# Altium PCB ECU_FEST23_Rev1.PcbDoc (part 1 of 2) (continued)
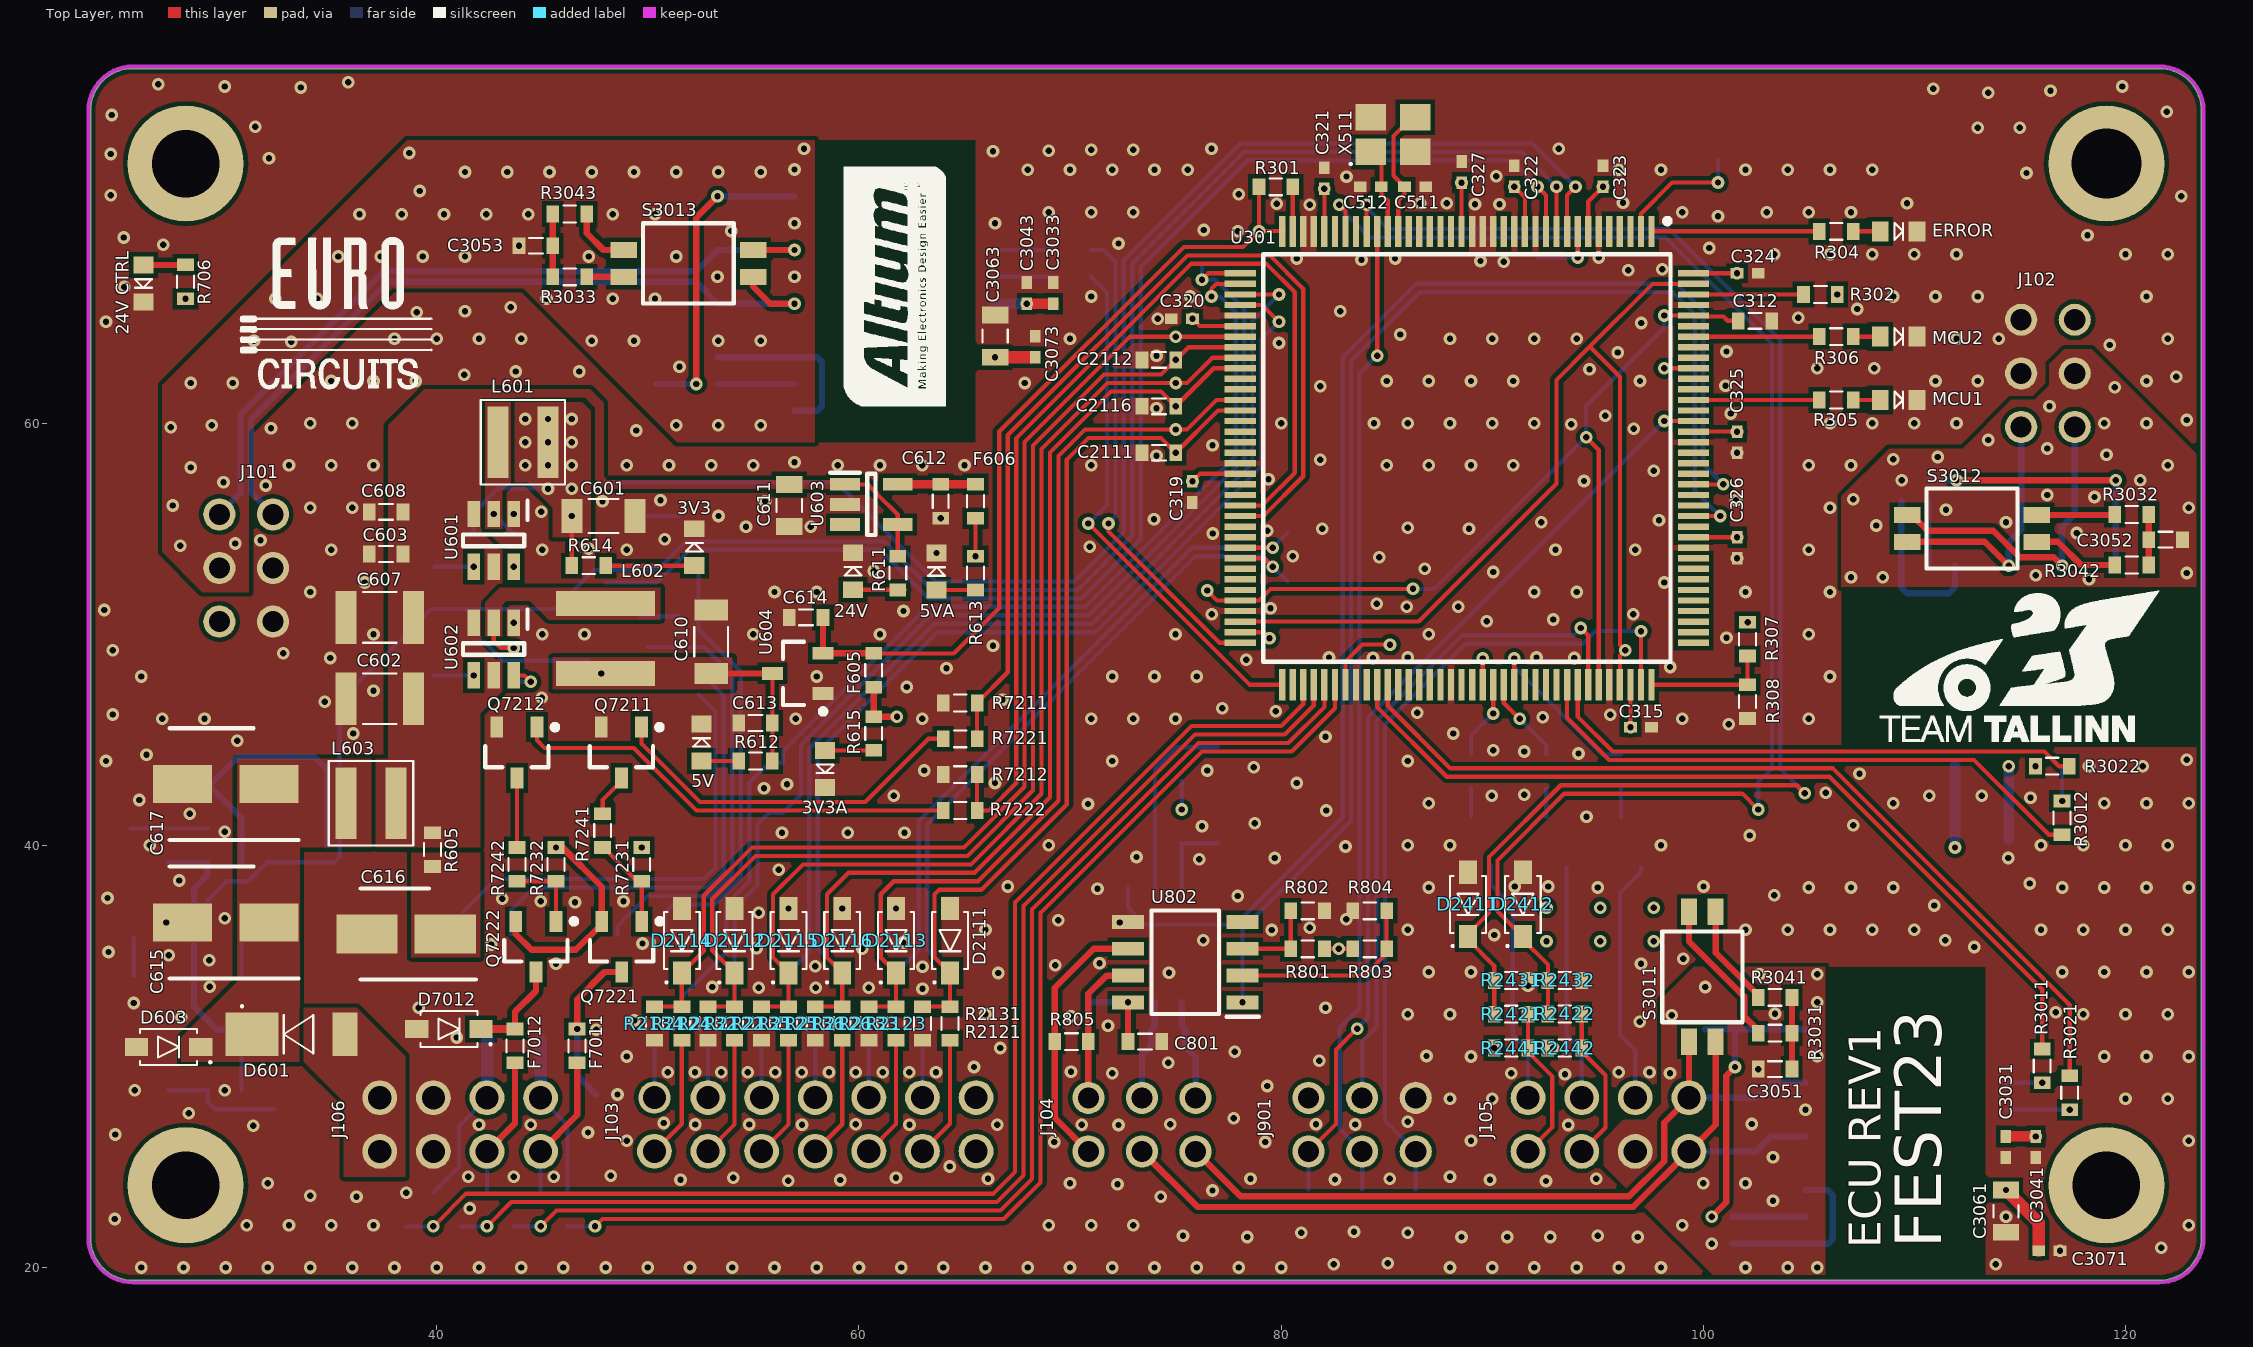
[diagram p0: Top Layer view]
## Footprints (in the part's own frame and the unit in brackets; to place one, negate y for a bottom-side part, rotate by r counter-clockwise, add the part's x,y. Pads: shape width x height; smd on the part's side, far side on the other; paste and mask are expansions set on the pad) (continued)
  silkscreen extent -11.35,-9.65 9.65,9.65, body extent -11,-11 11,11, height 1.6
"Molex C-Grid 2x4 Pin_Right_Angle" [mm]
  round 1.65 hole 1.1: 1(2.44,-13.018) 2(4.98,-13.018) 3(7.52,-13.018) 4(10.06,-13.018) 5(2.44,-10.478) 6(4.98,-10.478) 7(7.52,-10.478) 8(10.06,-10.478)
  body extent 0.01,-13.37 12.51,0.03, height 9.64
"Molex C-Grid 2x7 Pin_Right_Angle" [mm]
  round 1.65 hole 1.1: 1(0,-2.54) 2(2.54,-2.54) 3(5.08,-2.54) 4(7.62,-2.54) 5(10.16,-2.54) 6(12.7,-2.54) 7(15.24,-2.54) 8(15.24,0) 9(12.7,0) 10(10.16,0) 11(7.62,0) 12(5.08,0) 13(2.54,0)
  round 1.524 hole 1.1: 14(0,0)
  body extent -2.44,-13.15 17.68,0.25, height 10.07
"MOLEX C-GRID 6" [mil]
  round 60 hole 39.37 mask+1.97: 1(-100,50) 2(0,50) 3(100,50) 4(100,-50) 5(0,-50) 6(-100,-50)
  body extent -196,-463 196,65, height 383
PMDE-2 [mm]
  rect 1.1x1.45 smd: 1(0,-0.65)
  rect 0.8x0.8 smd: 2(0,0.975)
  silkscreen extent -0.05,-1.9 0.05,-1.8, body extent -0.65,-1.27 0.65,1.3, height 1.1
"PowerPAK 1212-8 SINGLE" [mm]
  rect 0.99x0.405 smd: 1(1.1,0.96) 1(1.1,1.62) 1(1.1,2.28) 2(1.1,0.3)
  rect 1.725x2.235 smd mask+0: 3(3.09,1.28)
  rect 0.76x0.405 smd mask+0: 3(4.08,0.29) 3(4.08,0.95) 3(4.08,1.61) 3(4.08,2.27)
  silkscreen extent 0.94,-0.34 4.24,2.95, body extent 0.94,-0.34 4.24,2.96, height 1.04
"RES [0603] 1608" [mm]
  rect 0.6x0.8 smd: 1(-0.8,0) 2(0.8,0)
  silkscreen extent -0.3,-0.4 0.3,0.4, body extent -0.8,-0.4 0.8,0.4, height 0.46
SOD-123 [mm]
  rect 1.1x0.85 smd: 1(-1.525,0) 2(1.525,0)
  silkscreen extent -2.02,-0.85 1.35,0.85, body extent -1.93,-0.85 1.92,0.85, height 1.42
SOD-128 [mm] "SODFL, 2-Leads, Body 2.70x5.00mm, IPC Medium Density"
  rect 2.5x2.05 smd: 1(-2.2,0)
  rect 1.2x2.05 smd: 2(2.2,0)
  silkscreen extent -2.72,-0.9 0.7,1.37, body extent -2.6,-1.35 2.6,1.35, height 1.11
SOIC127P600X175-8N [mm]
  rect 1.525x0.65 smd: 1(-2.712,1.905) 2(-2.712,0.635) 3(-2.712,-0.635) 4(-2.712,-1.905) 5(2.712,-1.905) 6(2.712,-0.635) 7(2.712,0.635) 8(2.712,1.905)
  silkscreen extent -3.47,-2.45 1.6,2.58, body extent -3,-2.45 3,2.45, height 1.75
SOIC-20 [mm] "SOIC, 20-Leads, Body 12.80x7.50mm, Pitch 1.27mm, IPC Medium Density"
  rect 1.9x0.6 smd: 1(-4.75,5.715) 2(-4.75,4.445) 3(-4.75,3.175) 4(-4.75,1.905) 5(-4.75,0.635) 6(-4.75,-0.635) 7(-4.75,-1.905) 8(-4.75,-3.175) 9(-4.75,-4.445) 10(-4.75,-5.715) 11(4.75,-5.715) 12(4.75,-4.445) 13(4.75,-3.175) 14(4.75,-1.905) 15(4.75,-0.635) 16(4.75,0.635) 17(4.75,1.905) 18(4.75,3.175) 19(4.75,4.445) 20(4.75,5.715)
  silkscreen extent -4.88,-6.5 3.4,6.69, body extent -5.16,-6.5 5.16,6.5, height 2.65
SOT23 [mm] "SOT23, 3-Leads, Body 2.92x2.37mm, Pitch 0.95mm, IPC Medium Density"
  rect 1x0.6 smd: 1(-1.2,0.95) 2(-1.2,-0.95) 3(1.2,0)
  silkscreen extent -1.32,-1.5 0.7,1.92, body extent -1.32,-1.52 1.32,1.52, height 1.12
SOT95P237X112-3N [mm] "SOT23, 3-Leads, Body 2,92x2,37mm, Pitch 0,95mm, IPC Medium Density"
  rect 1x0.6 smd: 1(-1.2,0.95) 2(-1.2,-0.95) 3(1.2,0)
  silkscreen extent -1.32,-1.5 0.7,1.93, body extent -1.32,-1.52 1.32,1.52, height 1.12
SOT95P270X145-5N [mm]
  rect 1.4x0.6 smd: 1(-1.25,0.95) 2(-1.25,0) 3(-1.25,-0.95) 4(1.25,-0.95) 5(1.25,0.95)
  silkscreen extent -1.95,-1.45 0.2,1.5, body extent -1.35,-1.45 1.35,1.45, height 1.45
SOT95P280X110-6N [mm]
  rect 1.25x0.6 smd: 1(-1.25,0.95) 2(-1.25,0) 3(-1.25,-0.95) 4(1.25,-0.95) 5(1.25,0) 6(1.25,0.95)
  silkscreen extent -1.88,-1.45 0.28,1.6, body extent -1.4,-1.45 1.4,1.45, height 0.97
SOT127P599X175-8N [mm]
  rect 1.8x0.6 smd: 1(-2.55,1.905) 2(-2.55,0.635) 3(-2.55,-0.635) 4(-2.55,-1.905) 5(2.55,-1.905) 6(2.55,-0.635) 7(2.55,0.635) 8(2.55,1.905)
  silkscreen extent -3.45,-2.45 1.3,2.56, body extent -3,-2.45 3,2.45, height 1.75
TO114P998X235-5_6N [mm] "TO,1.14mm pitch;5 pin,9.98mm L X 6.22mm W X 2.35mm H body"
  rect 1.7x0.8 smd paste+0 mask+0: 1(-4.75,2.28) 2(-4.75,1.14) 4(-4.75,-1.14) 5(-4.75,-2.28)
  rect 6.5x5.75 smd paste+0 mask+0: 6(2.3,0)
  silkscreen extent -4.77,-3.35 -1.35,3.36, body extent -4.99,-3.25 4.99,3.25, height 2.36
XAL40XX [mm]
  rect 0.98x3.4 smd: 1(-1.185,0) 2(1.185,0)
  silkscreen extent -2,-2 2,2, body extent -2,-2 2,2, height 2.1

## Part data
3V3 3V3A 5V 5VA 24V "24V CTRL" ERROR MCU1 MCU2: library part LED, "Cathode (-) marked by silkscreen line", Manufacturer=ROHM, Notes=https://www.mouser.ee/ProductDetail/ROHM-Semiconductor/SMLE13EC8TT86/?qs=%2Fha2pyFaduhMiPLq356inQWeb%2FEAVJcU8BAQeq%2FFIHebs6U66VjMvA%3D%3D, Order Step=1, Price=0.60, Product Name=SMLE13EC8TT86, Supplier=LADU, Supplier Number=755-SMLE13EC8TT86
C231 C232 C603 C604 C608 C609 C703 C704 C2411 C2412 C3053: library part Capacitor, Supplier=LADU
C311 C312: library part Capacitor, Manufacturer=Murata, Notes=https://www.murata.com/en-us/products/productdetail?partno=GRM188R71A225KE15%23, Order Step=10, Price=0.061, Product Name=GRM188R71A225KE15D, Supplier=Farnell, Supplier Number=1797012
C313 C315 C316 C317 C318 C319 C320 C321 C322 C323 C324 C325 C326 C327 C329: library part Capacitor, Manufacturer="Multicomp PRO", Notes=https://www.farnell.com/datasheets/1870456.pdf, Order Step=10, Price=0.039, Product Name=MC0402X104K100CT, Supplier=Farnell, Supplier Number=1759380
C314 C330 C511 C512 C2111 C2112 C2113 C2114 C2115 C2116 C3011 C3012 C3013 C3043 C3073 C3083: library part Capacitor, Manufacturer=MULTICOMP, Order Step=10, Supplier=Farnell
  C314 C330 C2111 C2112 C2113 C2114 C2115 C2116 C3011 C3012 C3013 C3043 C3073 C3083: Notes=https://ee.farnell.com/multicomp/mc0402b104k160ct/cap-0-1-f-16v-10-x7r-0402/dp/1758896?ost=1758896, Price=0.0291, Product Name=MC0402B104K160CT, Supplier Number=1758896
  C511 C512: Notes=https://ee.farnell.com/multicomp/mc0402n160j500ct/cap-16pf-50v-5-c0g-np0-0402/dp/1758946?ost=1758946, Price=0.0254, Product Name=MC0402N160J500CT, Supplier Number=1758946
C328 C331 C2011 C2012 C2013 C2014: library part Capacitor, Manufacturer=Yageo, Order Step=10, Supplier=Farnell
  C328 C331: Notes=https://www.yageo.com/upload/media/product/products/datasheet/mlcc/UPY-GPHC_X5R_4V-to-50V_27.pdf, Price=0.108, Product Name=CC0603KRX5R5BB475, Supplier Number=9402110
  C2011 C2012 C2013 C2014: Notes=https://www.yageo.com/upload/media/product/productsearch/datasheet/mlcc/UPY-GPHC_X7R_6.3V-to-50V_20.pdf, Price=0.01, Product Name=CC0402KRX7R9BB222, Supplier Number=3019408
C601 C602 C607 C612 C613 C614 C3063 C3093: library part Capacitor, Manufacturer=TDK
  C601: Notes=https://4donline.ihs.com/images/VipMasterIC/IC/TDKC/TDKC-S-A0012830064/TDKC-S-A0012830064-1.pdf?hkey=6D3A4C79FDBF58556ACFDE234799DDF0, Order Step=5, Price=0.922, Product Name=C3216X5R1A107M160AC, Supplier=Farnell, Supplier Number=2211193
  C602 C607: Notes=https://www.mouser.ee/ProductDetail/TDK/C3225X7R1H106M250AC?qs=%2Fha2pyFaduh2tbcUhWDo1YXPsEIYvC2h2d1%252BmoFOFCi73iECpPW4dzNynMlOFrUA, Order Step=1, Price=0.80, Product Name=C3225X7R1H106M250AC, Supplier=Mouser, Supplier Number=810-C3225X7R1H106MAC
  C612 C613 C614: Notes=https://www.farnell.com/datasheets/2792994.pdf, Order Step=10, Price=0.05, Product Name=C1608X7R1A105K080AC, Supplier=Farnell, Supplier Number=2346895
  C3063 C3093: Notes=https://ee.farnell.com/tdk/c2012x7r1a106k125ac/cap-10-f-10v-10-x7r-0805/dp/2346934, Order Step=5, Price=0.186, Product Name=C2012X7R1A106K125AC, Supplier=Farnell, Supplier Number=2346934
C610 C611: library part Capacitor, Manufacturer=MURATA, Order Step=5, Supplier=Farnell
  C610: Notes=https://www.murata.com/en-us/products/productdetail?partno=GRM31CR61A476KE15%23, Price=0.437, Product Name=GRM31CR61A476KE15L, Supplier Number=2426965
  C611: Notes=https://www.farnell.com/datasheets/2356132.pdf, Price=0.143, Product Name=GCJ21BR71H105KA01L, Supplier Number=2781413
C615 C617: library part "Capacitor polarized", Manufacturer=Wurth, Notes=https://4donline.ihs.com/images/VipMasterIC/IC/MIDC/MIDC-S-A0000770067/MIDC-S-A0000770082-1.pdf?hkey=6D3A4C79FDBF58556ACFDE234799DDF0, Order Step=1, Price=0.208, Product Name=865080542006, Supplier=Farnell, Supplier Number=2466315
C616: library part "Capacitor polarized", Manufacturer="Multicomp PRO", Notes=https://www.farnell.com/datasheets/2883297.pdf, Order Step=10, Price=0.19, Product Name=MCESL35V475M4X5.2, Supplier=Farnell, Supplier Number=9265716
C801 C802 C3051 C3052: library part CMP-001-00084-16, "Default capacitor part", Supplier=LADU
C901: library part CMP-001-00084-16, "Default capacitor part", Manufacturer="Multicomp PRO", Notes=https://www.farnell.com/datasheets/1870456.pdf, Order Step=10, Price=0.039, Product Name=MC0402X104K100CT, Supplier=Farnell, Supplier Number=1759380
C3021 C3022 C3023 C3031 C3032 C3033: library part Capacitor, Manufacturer="WURTH ELEKTRONIK", Notes=https://ee.farnell.com/wurth-elektronik/885012205031/cap-0-01-f-16v-10-x7r-0402/dp/2533977?ost=2533977, Order Step=10, Price=0.01, Product Name=885012205031, Supplier=Farnell, Supplier Number=2533977
C3041 C3042 C3071 C3072 C3081 C3082: library part CMP-001-00084-16, "Default capacitor part", Manufacturer=MULTICOMP, Notes=https://ee.farnell.com/multicomp/mc0402b104k160ct/cap-0-1-f-16v-10-x7r-0402/dp/1758896?ost=1758896, Order Step=10, Price=0.0291, Product Name=MC0402B104K160CT, Supplier=Farnell, Supplier Number=1758896
C3061 C3062 C3091 C3092: library part CMP-001-00084-16, "Default capacitor part", Manufacturer=TDK, Notes=https://ee.farnell.com/tdk/c2012x7r1a106k125ac/cap-10-f-10v-10-x7r-0805/dp/2346934, Order Step=5, Price=0.186, Product Name=C2012X7R1A106K125AC, Supplier=Farnell, Supplier Number=2346934
D231 D232 D603 D702 D901 D902 D903 D904 D2011 D2012 D2013 D2014 D2111 D2112 D2113 D2114 D2115 D2116 D2411 D2412 D4011 D4012 D4013 D7011 D7012 D7111 D7112: library part "TVS/Zener diode", Manufacturer=Nexperia, Order Step=5, Supplier=Farnell
  D231 D232 D901 D902 D903 D904 D2011 D2012 D2013 D2014 D2111 D2112 D2113 D2114 D2115 D2116 D2411 D2412: Notes=https://ee.farnell.com/nexperia/ptvs3v3s1ur-115/diode-tvs-uni-3-3v-400w-sod123w/dp/1829253?ost=1829253, Price=0.41, Product Name=PTVS3V3S1UR,115, Supplier Number=1829253
  D603 D702 D7011 D7012 D7111 D7112: Notes=https://4donline.ihs.com/images/VipMasterIC/IC/NEXP/NEXP-S-A0003507774/NEXP-S-A0003507774-1.pdf?hkey=6D3A4C79FDBF58556ACFDE234799DDF0, Price=0.42, Product Name=PTVS24VS1UR,115, Supplier Number=1829247
  D4011 D4012 D4013: Notes=https://ee.farnell.com/nexperia/ptvs3v3s1ur-115/diode-tvs-uni-3-3v-400w-sod123w/dp/1829253?ost=1829253, Price=0.136/0.0867, Product Name=PTVS3V3S1UR, Supplier Number=1829253
D601 D604 D701: library part "Diode Shottky", Manufacturer=NEXPERIA, Order Step=5, Supplier=Farnell
  D601 D604: Notes=https://4donline.ihs.com/images/VipMasterIC/IC/NEXP/NEXP-S-A0003060256/NEXP-S-A0003059578-1.pdf?hkey=6D3A4C79FDBF58556ACFDE234799DDF0, Price=0.595, Product Name=PMEG3020EP,115, Supplier Number=1972722
  D701: Notes=https://4donline.ihs.com/images/VipMasterIC/IC/NEXP/NEXP-S-A0003060256/NEXP-S-A0003059607-1.pdf?hkey=6D3A4C79FDBF58556ACFDE234799DDF0, Price=0.57, Product Name=PMEG3050EP,115, Supplier Number=1829197
D703: library part "TVS/Zener diode", Manufacturer="Diodes INC", Notes=https://4donline.ihs.com/images/VipMasterIC/IC/DIOD/DIODS00953/DIODS00953-1.pdf?hkey=6D3A4C79FDBF58556ACFDE234799DDF0, Order Step=5, Price=0.23, Product Name=BZT52C12, Supplier=Farnell, Supplier Number=1902427
D704: library part Diode, Manufacturer="ROHM Semiconductor", Notes=https://fscdn.rohm.com/en/products/databook/datasheet/discrete/diode/fast_recovery/rfn1vwm2stftr-e.pdf, Order Step=1, Price=0.68, Product Name=RFN1VWM2STFTR, Supplier=Mouser, Supplier Number=755-RFN1VWM2STFTR
F605 F606: library part Fuse, Manufacturer="Multicomp PRO", Notes=https://www.farnell.com/datasheets/3665656.pdf, Order Step=10, Price=0.136, Product Name=MCCFB0603TFF/250, Supplier=Farnell, Supplier Number=2849998
F701: library part Fuse, Manufacturer="Bel Fuse", Notes=https://www.mouser.ee/datasheet/2/54/bourns_SF_1206SA_M_datasheet-2399800.pdf, Order Step=1, Price=1.00, Product Name=SF-1206SA350M-2, Supplier=Mouser, Supplier Number=652-SF-1206SA350M-2
F7011 F7012: library part Fuse, Manufacturer=AEM, Notes=https://www.farnell.com/datasheets/3200534.pdf, Order Step=10, Price=0.376, Product Name=T0603FF0200TM, Supplier=Farnell, Supplier Number=3701343
F7111 F7112: library part Fuse, Manufacturer=Bourns, Notes=https://www.mouser.ee/datasheet/2/54/Bourns_SF2105_SF_0603SA_M_SF_1206SA_M_NPR_ADV-2399805.pdf, Order Step=1, Price=0.99, Product Name=SF-0603SA150M-2, Supplier=Mouser, Supplier Number=652-SF-0603SA150M-2
J101: library part CMP-002-00003-1, "Rectangular Power Connector, 8 Contact(s), Male, Solder Terminal, Receptacle", Manufacturer=MOLEX, Note=https://ee.farnell.com/molex/90130-3206/connector-header-6pos-2row-2-54mm/dp/9733990?ost=9733990, Order Step=1, Price=1.94, Product Name=90130-3206, Supplier=Farnell, Supplier Number=9733990
J102 J901: Manufacturer=MOLEX, Note=https://ee.farnell.com/molex/90130-3206/connector-header-6pos-2row-2-54mm/dp/9733990?ost=9733990, Order Step=1, Price=1.94, Product Name=90130-3206, Supplier=Farnell, Supplier Number=9733990
J103: library part CMP-002-00002-1, "Rectangular Power Connector, 6 Contact(s), Male, Solder Terminal, Receptacle", Manufacturer=Molex, Notes=https://www.mouser.ee/datasheet/2/276/4/0901303114_PCB_HEADERS-2880845.pdf, Order Step=1, Price=2.46, Product Name=90130-3114, Supplier=Mouser, Supplier Number=538-90130-3114
J104: library part CMP-002-00002-1, "Rectangular Power Connector, 6 Contact(s), Male, Solder Terminal, Receptacle", Manufacturer=MOLEX, Note=https://ee.farnell.com/molex/90130-3206/connector-header-6pos-2row-2-54mm/dp/9733990?ost=9733990, Order Step=1, Price=1.94, Product Name=90130-3206, Supplier=Farnell, Supplier Number=9733990
J105: library part CMP-002-00010-1, "Rectangular Power Connector, 4 Contact(s), Male, Solder Terminal, Receptacle", Manufacturer=Molex, Notes=https://www.farnell.com/datasheets/1861743.pdf, Order Step=1, Price=2.30, Product Name=90130-3208, Supplier=Farnell, Supplier Number=9734007
J106: library part CMP-00009-2, "Rectangular Power Connector, 10 Contact(s), Male, Solder Terminal, Receptacle", Manufacturer=Molex, Notes=https://www.farnell.com/datasheets/1861743.pdf, Order Step=1, Price=2.30, Product Name=90130-3208, Supplier=Farnell, Supplier Number=9734007
L601 L602 L603: library part Inductor, Manufacturer=Coilcraft, Order Step=1
  L601: Notes=https://4donline.ihs.com/images/VipMasterIC/IC/COLC/COLC-S-A0012496813/COLC-S-A0012957309-1.pdf?hkey=6D3A4C79FDBF58556ACFDE234799DDF0, Price=2.05, Product Name=XAL4030-682MEC, Supplier=Farnell, Supplier Number=2289057
  L602: Notes=https://www.mouser.ee/datasheet/2/597/xal50xx-270657.pdf, Price=2.75, Product Name=XAL5050-103MEC, Supplier=Mouser, Supplier Number=994-XAL5050-103MEC
  L603: Notes=https://4donline.ihs.com/images/VipMasterIC/IC/COLC/COLC-S-A0012496813/COLC-S-A0012957309-1.pdf?hkey=6D3A4C79FDBF58556ACFDE234799DDF0, Price=2.03, Product Name=XAL4020-222MEC, Supplier=Farnell, Supplier Number=2289054
L3011 L3012 L3013 L3021 L3022 L3023: library part ferrite_bead, "1800Ohm @100mHz", Manufacturer=MuRata, Notes=https://ee.farnell.com/murata/blm15hd182sn1d/ferrite-bead-2-2ohm-200ma-0402/dp/1515786?ost=1515786, Order Step=10, Price=0.085, Product Name=BLM15HD182SN1D, Supplier=Farnell, Supplier Number=1515786
Q701: library part SISS76LDN-T1-GE3, Manufacturer=VISHAY, Notes=https://www.mouser.ee/datasheet/2/427/sisa10bdn-2953511.pdf, Order Step=1, Price=1.02, Product Name=SISA12BDN-T1-GE3, Supplier=Mouser, Supplier Number=781-SISA12BDN-T1-GE3
Q4011 Q4012 Q4013: library part N-MOSFET, Manufacturer=Infineon, Notes=https://ee.farnell.com/infineon/irlml6344trpbf/mosfet-n-ch-30v-5a-sot23/dp/1857299?ost=1857299, Order Step=5, Price=0.0956, Product Name=IRLML6344TRPBF, Supplier=Farnell, Supplier Number=1857299
Q7111 Q7112 Q7211 Q7212: library part N-MOSFET, Manufacturer=Toshiba, Notes=https://www.farnell.com/datasheets/3622454.pdf, Order Step=5, Price=0.0763, Product Name=T2N7002BK,LM(T, Supplier=Farnell, Supplier Number=3872309
Q7221 Q7222: library part P-MOSFET
R231 R232 R233 R234 R306 R307 R308 R605 R611 R612 R613 R614 R615 R701 R702 R703 R704 R705 R706 R707 R708 R709 R810 R2421 R2422 R2431 R2432 R2441 R2442 R3011 R3012 R3013 R3021 R3022 R3023 R4013 R4023 R4033 R7111 R7112 R7121 R7122 R7131 R7132 R7141 R7142 R7151 R7152 R7211 R7212 R7221 R7222 R7231 R7232 R7241 R7242 R7251 R7252 R7261 R7262: library part Resistor
  R231 R232 R233 R234 R605 R611 R612 R613 R614 R615 R701 R702 R703 R704 R705 R706 R707 R708 R709 R810 R2421 R2422 R2431 R2432 R2441 R2442 R3011 R3012 R3013 R3021 R3022 R3023 R4013 R4023 R4033 R7111 R7112 R7121 R7122 R7131 R7132 R7141 R7142 R7151 R7152 R7211 R7212 R7221 R7222 R7231 R7232 R7241 R7242 R7251 R7252 R7261 R7262: Supplier=LADU
  R307 R308: Supplier=Farnell
R301 R302 R303 R304 R305 R801 R802 R803 R804 R805 R806 R807 R808 R809 R4011 R4012 R4021 R4022 R4031 R4032: library part CMP-009-00038-12, "Standard resistor part"
  R301 R302 R303 R304 R805 R4011 R4012 R4021 R4022 R4031 R4032: Supplier=LADU
  R801 R802 R803 R804 R806 R807 R808 R809: Supplier=Farnell
R601 R602 R604: library part Resistor, Manufacturer="MULTICOMP PRO", Order Step=10, Supplier=Farnell
  R601: Notes=https://www.farnell.com/datasheets/2861224.pdf, Price=0.009, Product Name=MC0063W06031100K, Supplier Number=9330402
  R602 R604: Notes=https://ee.farnell.com/tt-electronics-welwyn/pcf0603r-22k1bt1/res-22k1-0-1-0-063w-0603-thin/dp/1160376?ost=1160376, Price=0.0044, Product Name=MCWR06X2212FTL, Supplier Number=2694776
R603: library part Resistor, Manufacturer=PANASONIC, Notes=https://ee.farnell.com/te-connectivity/cpf0603b88k7e1/res-88k7-0-1-0-063w-0603-thin/dp/2331399, Order Step=1, Price=0.049, Product Name=ERJ3EKF1623V, Supplier=Farnell, Supplier Number=2059505
R2011 R2012 R2013 R2014 R2021 R2022 R2023 R2024: library part Resistor, Manufacturer="Multicomp PRO", Notes=https://www.farnell.com/datasheets/2860647.pdf, Order Step=10, Price=0.135, Supplier=Farnell
  R2011 R2012 R2013 R2014: Product Name=MCWF06R2003BTL, Supplier Number=2337040
  R2021 R2022 R2023 R2024: Product Name=MCWF06R1003BTL, Supplier Number=2336925
R2121 R2122 R2123 R2124 R2125 R2126: library part Resistor, Manufacturer=Yageo, Notes=https://www.farnell.com/datasheets/3046036.pdf, Order Step=10, Price=0.274, Product Name=RT0603BRD072KL, Supplier=Farnell, Supplier Number=3496625
R2131 R2132 R2133 R2134 R2135 R2136: library part Resistor, Manufacturer="TT Electronics", Notes=https://www.farnell.com/datasheets/3361023.pdf, Order Step=10, Price=0.18, Product Name=APC0603AD-10KBT5, Supplier=Farnell, Supplier Number=3782226
R3031 R3032 R3033 R3041 R3042 R3043: library part Resistor, Manufacturer=Panasonic, Notes=https://ee.farnell.com/panasonic/erj3ekf60r4v/res-60r4-1-0-1w-0603-thick-film/dp/2059280?st=2059280, Order Step=10, Price=0.049, Product Name=ERJ3EKF60R4V, Supplier=Farnell, Supplier Number=2059280
S3011 S3012 S3013: Manufacturer=MULTICOMP, Datasheet=http://www.farnell.com/datasheets/1520788.pdf?_ga=2.177169248.478853429.1541108322-1315226299.1513518556, Notes=https://ee.farnell.com/multicomp/mcdhn-02f-v/switch-2-way-spst-flush/dp/1605473, Order Step=1, Price=0.925, Product Name=MCDHN-02F-V, Supplier=Farnell, Supplier Number=1605473
U301: library part LQFP144_STM32H725ZET6, "Integrated Circuit", Manufacturer=STM, Product Name=STM32H735ZGT6, Supplier=LADU
U601 U602: "Integrated Circuit", Manufacturer="Texas Instruments", Notes=https://www.ti.com/general/docs/suppproductinfo.tsp?distId=26&gotoUrl=https://www.ti.com/lit/gpn/lmr51420, Order Step=1, Price=1.56, Product Name=LMR51420XFDDCR, Supplier=Mouser, Supplier Number=595-LMR51420XDDCR
U603: "LDO, 150mA max, Vin 28V max, Vout =5.0V", Manufacturer=MICROCHIP, Notes=https://4donline.ihs.com/images/VipMasterIC/IC/MCHP/MCHPS05437/MCHPS05437-1.pdf?hkey=6D3A4C79FDBF58556ACFDE234799DDF0, Order Step=1, Price=1.13, Product Name=MCP1804T-5002I/OT, Supplier=Farnell, Supplier Number=1825007
U604: Manufacturer=TOREX, Notes=https://www.farnell.com/datasheets/2012663.pdf, Order Step=2, Price=0.684, Product Name=XC6206P332MRN, Supplier=Farnell, Supplier Number=8796980
U701: "Integrated Circuit", Manufacturer="Analog Devices", Notes=https://www.mouser.ee/datasheet/2/609/lt1255-2956025.pdf, Order Step=1, Price=9.67, Product Name=LTC1255CS8#PBF, Supplier=Mouser, Supplier Number=584-LTC1255CS8#PBF
U801 U802: "Integrated Circuit", Manufacturer="ANALOG DEVICES", Notes=https://ee.farnell.com/maxim-integrated-products/max14783eesa/rs422-rs485-txrx-42mbps-5-5v-nsoic/dp/2511405?st=rs%20transceiver, Order Step=1, Price=5.87, Product Name=MAX14783EESA+, Supplier=Farnell, Supplier Number=2511405
U3011 U3012: library part CMP-015-00008-3, "Interface Circuit, 1-Trnsvr, PDSO20", Manufacturer="Analog Devices", Notes=https://ee.farnell.com/analog-devices/adm3053brwz/ic-can-transc-sig-power-20soic/dp/2062027?ost=adm3053&krypto=QZsIsxA1QsHFiggyuOW1%2B4qI6XmIKW%2FqVEa%2FUUGBJl88qJK7CqmwCQ8%2FLPO9wZ6j6fCbzkfI1N6fMNUMrFt7kMGkeE3bsm6iXKDzcxqHy%2BvpIlOXLYQeBW2HRlQp%2FoLLuZKzsA4vHnc%2FJqur0Kzf120oDXcUkYsraKe%2FxbFY9jdt15qnrobQK768e2F3WLw2d7iUYIAkdM4ILexNJikFL%2Bv2Qe6GwzHZqpaxt5kdSIVh2wlhEPGB1y3Ua0fgtf8QAoH6r%2BDHjH2BId8GtI2TT2KTc79z%2FwzbVrU%2FGYM5oASXaqTZTM8Vj88v%2F5KRAvrfF4tUpBPAWSDuK9aQaTJ6ZEp4RTZTGEs0JuUC8h%2FlcXO%2FrQiYW44LDeoOfsqn2q1mpZTDpqvxtJo9FKDP%2BkP%2F5XxNN8wtKzhRFLpXyUSo343rGJLEaLBhDCqlwSGb%2FWIXtLdPuix7dHHl3eIf%2FuFV4trkJLKEjbW21C8l9yrauU468Qw3UT0x2c9A1R8YtdntbnUgp9hIR9l8colGUYZyu7Cb4Q8U3NMFHltqXa5ixLo%3D&ddkey=https%3Aet-EE%2FElement14_Estonia%2Fsearch, Order Step=1, Price=8.45, Product Name=ADM3053BRWZ, Supplier=Farnell, Supplier Number=2062027
U3013: library part ADM3053, Manufacturer="Analog Devices", Notes=https://ee.farnell.com/analog-devices/adm3053brwz/ic-can-transc-sig-power-20soic/dp/2062027?ost=adm3053&krypto=QZsIsxA1QsHFiggyuOW1%2B4qI6XmIKW%2FqVEa%2FUUGBJl88qJK7CqmwCQ8%2FLPO9wZ6j6fCbzkfI1N6fMNUMrFt7kMGkeE3bsm6iXKDzcxqHy%2BvpIlOXLYQeBW2HRlQp%2FoLLuZKzsA4vHnc%2FJqur0Kzf120oDXcUkYsraKe%2FxbFY9jdt15qnrobQK768e2F3WLw2d7iUYIAkdM4ILexNJikFL%2Bv2Qe6GwzHZqpaxt5kdSIVh2wlhEPGB1y3Ua0fgtf8QAoH6r%2BDHjH2BId8GtI2TT2KTc79z%2FwzbVrU%2FGYM5oASXaqTZTM8Vj88v%2F5KRAvrfF4tUpBPAWSDuK9aQaTJ6ZEp4RTZTGEs0JuUC8h%2FlcXO%2FrQiYW44LDeoOfsqn2q1mpZTDpqvxtJo9FKDP%2BkP%2F5XxNN8wtKzhRFLpXyUSo343rGJLEaLBhDCqlwSGb%2FWIXtLdPuix7dHHl3eIf%2FuFV4trkJLKEjbW21C8l9yrauU468Qw3UT0x2c9A1R8YtdntbnUgp9hIR9l8colGUYZyu7Cb4Q8U3NMFHltqXa5ixLo%3D&ddkey=https%3Aet-EE%2FElement14_Estonia%2Fsearch, Order Step=1, Price=8.45, Product Name=ADM3053BRWZ, Supplier=Farnell, Supplier Number=2062027
U7111 U7112: "Smart Highside Power Switch", Manufacturer=Infineon, Notes=https://ee.farnell.com/infineon/bts6143dauma1/ic-profet-p-to252-5/dp/1440813?ost=1440813, Order Step=1, Price=3.05, Product Name=BTS6143DAUMA1, Supplier=Farnell, Supplier Number=1440813
X511: library part "Crystal 4-pin", Manufacturer=ABRACON, Notes=https://ee.farnell.com/abracon/abm8g-25-000mhz-18-d2y-t/crystal-25mhz-18pf-smd/dp/2101339?ost=2101339, Order Step=1, Price=0.758, Product Name=ABM8G-25.000MHZ-18-D2Y-T, Supplier=Farnell, Supplier Number=2101339

## Free pads (board coordinates)
  round 5.5 hole 3.3: 2(119.1,72.3)
  round 5.5 hole 3.2: 3(28.1,72.3) 4(28.1,23.9) 5(119.1,23.9)

## Via types
v1: diameter 0.6, hole 0.3, Top Layer to Bottom Layer, tented both sides, 807 vias

## Nets (pads, with @x,y where several pads share a name; then routed paths per layer and width w, separated by ;. In a path a pad name is that pad's centre, name@x,y a point inside that pad or via, vN(x,y) a via of type N, cw(c..) or ccw(c..) an arc to the next point about the centre after c; other vN are vias at no path point)
3V3: C315.1 C316.1 C317.1 C318.1 C319.1 C320.1 C321.1 C322.1 C323.1 C324.1 C325.1 C326.1 C327.1 C328.1 C329.1 C330.1 C331.1 C601.1 C801.1 C802.1 C3031.1 C3032.1 C3033.1 C3041.1 C3042.1 C3043.1 J901.1 L601.2 R302.1 R307.2 R601.2 R614.1 R801.2 R803.2 R806.2 R808.2 R2441.2 R2442.2 R4031.1 R4032.1 R4033.1 U301.7 U301.8 U301.13 U301.19 U301.32 U301.42 U301.56 U301.70 U301.71 U301.79 U301.92 U301.105 U301.106 U301.119 U301.129 U301.143 U301.144 U801.8 U802.8 U3011.6 U3012.6 U3013.6 | length 101.8
  Top Layer w0.2: R614.1@46.4,53.249 v1(46.4,55.6) ; v1(75.8,57.243) 76.157,57.6 U301.56@78.062,57.6 ; v1(75.8,64.95) 76.15,64.6 U301.42@78.062,64.6 ; U301.71@78.062,50.1 79.166,50.1 v1(79.45,49.816) ; U301.70@78.062,50.6 86.519,50.6 93.05,57.131 93.05,62.05 94.625,63.625 ; U301.32@82.05,69.088 v1(82.05,71.1) ; R801.2@82.06,35.1 v1(82.73,35.1) R803.2@83.4,35.1 ; U301.79@83.05,47.612 83.05,48.716 83.845,49.51 v1(85.16,49.51) ; U301.19@88.55,69.088 v1(88.55,71.395) ; U301.92@89.55,47.612 v1(89.55,48.85) ; v1(91.05,71.2) 91.55,70.7 U301.13@91.55,69.088 ; v1(94.05,67.85) U301.8@94.05,69.088 ; U301.7@94.55,69.088 94.55,70.5 v1(95.25,71.2) ; U301.105@96.05,47.612 96.05,48.994 v1(96.3,49.244) 96.05,49.494 96.05,62.2 94.625,63.625 ; v1(96.55,45.6) U301.106@96.55,47.612 ; U301.119@99.538,54.6 v1(101.6,54.6) ; U301.129@99.538,59.6 v1(101.6,59.6) ; U301.143@99.538,66.6 97.6,66.6 94.625,63.625 ; U301.144@99.538,67.1 v1(101.6,67.1)
  Top Layer w0.3: C801.1@72.75,30.7 v1(72.75,32.56)
  Top Layer w0.5: v1(67.95,65.665) C3033.1@69.2,65.665 ; C3031.1@114.34,26.21 v1(115.746,26.21)
  Bottom Layer w0.2: R601.2@41.75,54.8 41.75,55.756 42.894,56.9 v1(45.27,56.9) ; v1(75.29,41.7) R808.2@75.29,43.05 ; C330.1@92.2,67.85 v1(94.05,67.85)
  Bottom Layer w0.3: C802.1@71.001,32.56 v1(72.75,32.56)
  Bottom Layer w0.5: U3013.6@66.45,65.665 v1(67.95,65.665) ; U3011.6@114.34,26.21 v1(115.746,26.21) ; C3032.1@114.465,40.3 C3042.1@114.465,41.6 v1(114.465,43.75)
  other v1: 90.1,30.4 92.9,30.4 92.575,35.45 95.115,35.45 97.655,35.45 102.099,50.567 46.4,56.9 44.2,58 45.27,58 46.4,58 44.2,59.1 45.27,59.1 46.4,59.1 44.2,60.2 45.27,60.2 46.4,60.2 106.35,66.1
3V3A: C313.1 C314.1 C614.1 F605.2 R301.1 U301.36 U604.2 | length 39.9
  Top Layer w0.2: F605.2@60.7,49.095 64.495,49.095 66.65,51.25 66.65,59.601 75.399,68.35 78.2,68.35 v1(78.95,69.1) ; R301.1@78.95,71.2 v1(78.95,69.1) ; U301.36@80.038,69.1 v1(78.95,69.1)
  Top Layer w0.3: C614.1@58.3,50.8 U604.2@58.3,49.095 F605.2@60.7,49.095 ; U301.36@80.038,69.1 U301.36@80.05,69.088
  Bottom Layer w0.2: v1(78.95,69.1) C314.1@78.95,70.25
3V3A_OUT: F605.1 J103.7 R615.1 | length 24.6
  Top Layer w0.3: F605.1@60.7,47.495 R615.1@60.7,46.1 v1(61.8,46.1)
  3V3 w0.3: v1(61.8,46.1) 64.3,43.6 64.3,26.76 J103.7@65.55,25.51
5V: C610.1 C613.1 C3061.1 C3062.1 C3063.1 C3071.1 C3072.1 C3073.1 L602.2 R603.2 R612.1 R4021.1 R4022.1 R4023.1 U604.3 U3011.8 U3012.8 U3013.8 | length 136.7
  Top Layer w0.2: R612.1@55.9,44 C613.1@55.9,45.8 U604.3@55.9,48.145
  Top Layer w0.3: C610.1@53,48.145 U604.3@55.9,48.145
  Top Layer w0.6: v1(66.45,63.125) C3073.1@68.15,63.125 ; v1(114.34,23.67) 115.9,22.11 C3071.1@115.9,20.8
  3V3 w0.6: v1(47.8,48.145) 49.09,48.145 57.245,56.3 66.45,56.3 ; v1(66.45,63.125) 66.45,56.3 ; v1(92.575,37.05) v1(95.115,37.05) v1(97.655,37.05) 100.75,37.05 103.6,39.9 ; v1(114.34,23.67) 114.34,37.485 v1(111.925,39.9) 103.6,39.9 ; 66.45,56.3 92.85,56.3 103.6,45.55 103.6,39.9
  Bottom Layer w0.2: R603.2@41.75,49.65 42.226,49.65 43.126,48.75 47.195,48.75 v1(47.8,48.145)
  Bottom Layer w0.5: v1(111.925,39.9) C3072.1@111.925,41.6 U3012.8@111.925,43.75
5VA: C612.1 F606.2 U603.5 | length 3.7
  Top Layer w0.4: U603.5@61.841,57.1 C612.1@63.875,57.1 F606.2@65.525,57.1
5VA_OUT: F606.1 J103.8 R613.1 | length 28.1
  Top Layer w0.2: v1(65.525,53.7) F606.1@65.525,55.5
  3V3 w0.3: v1(65.525,53.7) 64.8,52.975 64.8,28.8 J103.8@65.55,28.05
24V: D601.2 D604.2 D701.2 J106.4 J106.8
24V_CTRL: C704.1 D701.1 Q701.3 R703.2 U701.6 | length 5.7
  Bottom Layer w0.2: C704.1@27.3,28.4 R703.2@29.15,28.4 29.15,27.85 29.504,27.496 32.3,27.496
24V_switch: D604.1 Q7221.2 Q7222.2 R7231.2 R7232.2 U7111.6 U7112.6 | length 10.2
  Top Layer w0.3: Q7222.2@43.75,36.4 43.75,35.786 44.486,35.05 46.588,35.05 47.81,36.272 Q7221.2@47.81,36.4 47.81,38.045 45.955,39.9 v1(45.65,39.9)
  other v1: 49.71,39.9
24Vin: C602.1 C603.1 C607.1 C608.1 C611.1 L603.2 R605.2 R611.1 U601.3 U601.5 U602.3 U602.5 U603.1 U603.4 | length 5
  Top Layer w0.2: U603.1@59.375,57.1 60.418,57.1 60.841,56.677 60.841,56.676 61.841,55.676 U603.4@61.841,55.2 R611.1@61.841,53.7
BOOT0: R303.1 U301.135 | length 1.4
  Top Layer w0.2: v1(98.15,62.6) U301.135@99.538,62.6
CAN_RX1: R3011.1 U301.82 | length 40.9
  Top Layer w0.2: U301.82@84.55,47.612 84.55,46.55 87.85,43.25 105.984,43.25 116.057,33.178 R3011.1@116.057,30.35
CAN_RX2: R3012.1 U301.100 | length 27.3
  Top Layer w0.2: U301.100@93.55,47.612 93.55,46.044 95.544,44.05 112.82,44.05 116.37,40.5 R3012.1@117,40.5